# Altium PCB GameBoard_V1I1.PcbDoc (part 19 of 22)
Units mil, origin at the board's own origin, x right, y up, seen from the top; angles counter-clockwise.
Board outline 7165.35 x 2814.96 mil, 12 copper layers (L1, L2, L3, L4, L5 (PWR), L6 (PWR), L7 (PWR), L8 (PWR), L9, L10, L11, L12), stack 61.575 mil thick; 1551 components, 1072 nets, 5467 pads, 3785 vias.
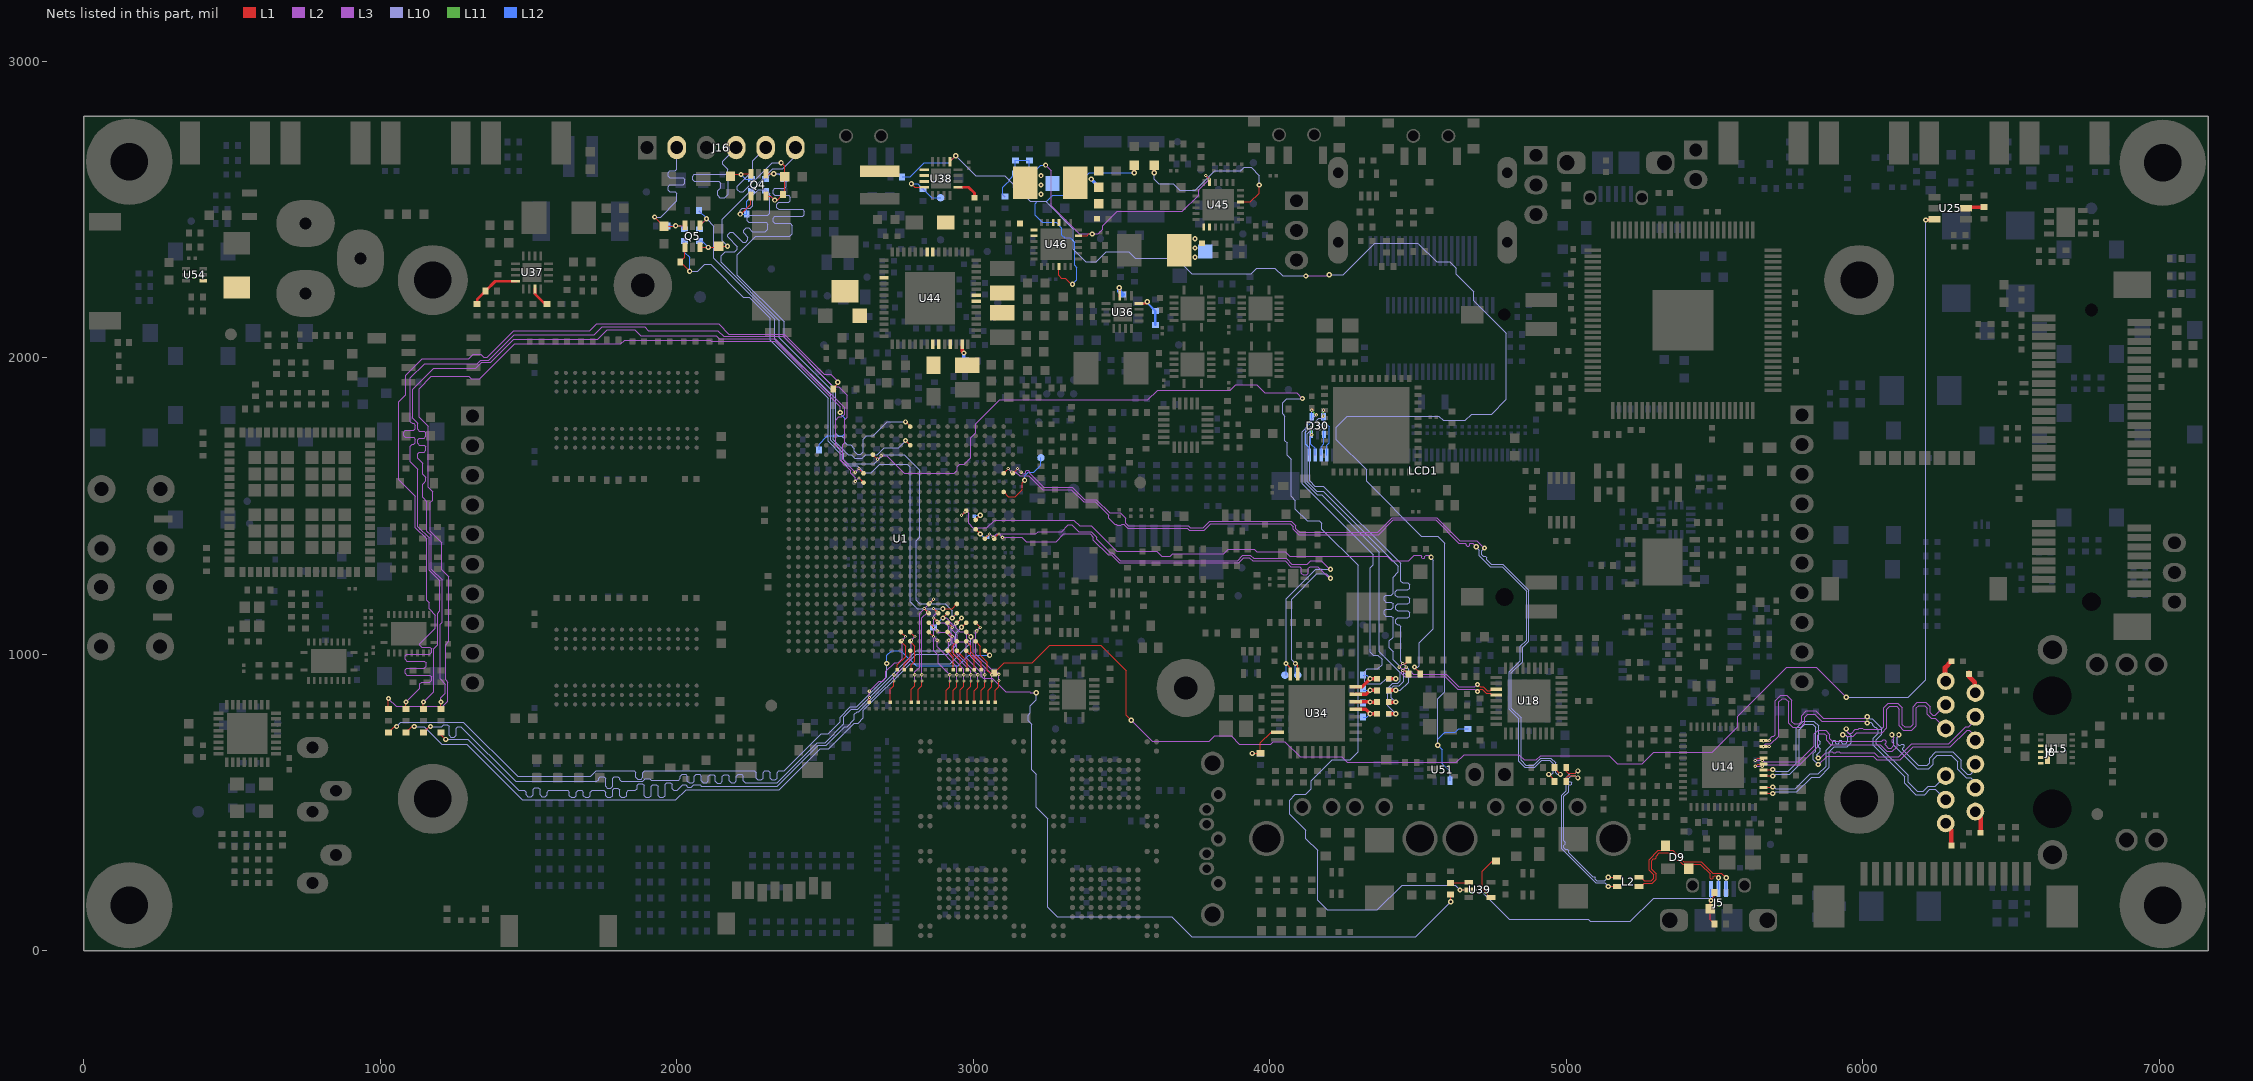
[diagram p29: the nets of this part, all layers, seen from the top]

## Via types
v1: diameter 17.72, hole 7.87, L1 to L12, 1935 vias
v2: diameter 17.72, hole 7.87, L1 to L12, tented both sides, 995 vias
v3: diameter 10.63, hole 3.94, L1 to L2, 334 vias
v4: diameter 11.81, hole 3.94, L2 to L3, 334 vias
v5: diameter 10.63, hole 3.94, L11 to L12, 94 vias
v6: diameter 11.81, hole 3.94, L10 to L11, 93 vias

## Nets (pads, with @x,y where several pads share a name; then routed paths per layer and width w, separated by ;. In a path a pad name is that pad's centre, name@x,y a point inside that pad or via, vN(x,y) a via of type N, cw(c..) or ccw(c..) an arc to the next point about the centre after c; other vN are vias at no path point) (continued)
SRC_BOOT_CFG_12: R654.1 U1.M24 | length 107.3
  L1 w3.15: U1.M24@2787.4,1043.31 2803.15,1027.56 2803.15,976.38 2791.34,964.57 R654.1@2791.34,947.44
SRC_BOOT_CFG_13: R655.1 U1.M23 | length 282.1
  L1 w3.15: R655.1@2720.47,837.2 2720.47,881.89 2732.28,893.7 v3(2732.28,909.45) ; U1.M23@2787.4,1074.8 v3(2803.15,1059.06)
  L3 w3.15: v4(2732.28,930.51) 2738.69,930.51 2791.34,983.16 v4(2791.34,1047.24)
  L2 w3.15: v3(2732.28,909.45) v4(2732.28,930.51) ; v4(2791.34,1047.24) v3(2803.15,1059.06)
SRC_BOOT_CFG_14: R656.1 U1.N23 | length 306.5
  L1 w3.15: R656.1@2649.61,837.2 v3(2649.61,854.33) ; U1.N23@2755.91,1074.8 v3(2771.65,1059.06)
  L3 w3.15: v4@2649.61,878.57 2651.83,878.57 2682.71,909.45 2694.11,909.45 2704.72,920.07 2704.72,941.93 2734.71,971.92 2746.69,971.92 2759.84,985.07 v4(2759.84,1047.24)
  L2 w3.15: v3(2649.61,854.33) v4(2649.61,875.39) ; v4(2759.84,1047.24) v3(2771.65,1059.06)
SRC_BOOT_CFG_15: R657.1 U1.N24 | length 113.8
  L1 w3.15: R657.1@2744.09,947.44 2744.09,964.57 2771.65,992.13 2771.65,1027.56 U1.N24@2755.91,1043.31
SRC_BOOT_CFG_16: R658.1 U1.H25 | length 72.5
  L1 w3.15: U1.H25@2913.39,1011.81 2933.07,992.13 R658.1@2933.07,947.44
SRC_BOOT_CFG_17: R661.1 U1.G24 | length 113.8
  L1 w3.15: U1.G24@2944.88,1043.31 2929.13,1027.56 2929.13,1007.2 2956.69,979.64 R661.1@2956.69,947.44
SRC_BOOT_CFG_18: R660.1 U1.J22 | length 386.2
  L1 w3.15: v3(2866.14,1122.05) U1.J22@2881.89,1106.3 ; R660.1@3003.94,837.2 3003.94,877.28 3015.75,889.09 v3(3015.75,909.45)
  L3 w3.15: v4(2877.95,1110.24) 2881.89,1106.3 2902.77,1106.3 2917.32,1091.74 2917.32,1077.68 2937.99,1057.01 2937.99,1045 2945,1037.99 2945,1001.26 v4(3015.75,930.51)
  L2 w3.15: v3(2866.14,1122.05) v4(2877.95,1110.24) ; v3(3015.75,909.45) v4(3015.75,930.51)
SRC_BOOT_CFG_19: R659.1 U1.G25 | length 79
  L1 w3.15: U1.G25@2944.88,1011.81 2980.32,976.38 R659.1@2980.32,947.44
SRC_BOOT_CFG_20: R662.1 U1.H22 | length 357.4
  L1 w3.15: U1.H22@2913.39,1106.3 v3(2929.13,1090.55) ; R662.1@3027.56,837.2 3027.56,877.95 3039.37,889.76 v3(3039.37,909.45)
  L3 w3.15: v4(2940.95,1102.36) 2940.95,1089.36 2954.52,1075.79 2967.52,1075.79 2977.36,1065.94 2977.36,1052.64 2992.13,1037.87 2992.13,991.28 3039.37,944.04 v4(3039.37,930.51)
  L2 w3.15: v3(2929.13,1090.55) v4(2940.95,1102.36) ; v3(3039.37,909.45) v4(3039.37,930.51)
SRC_BOOT_CFG_21: R663.1 U1.H23 | length 275.1
  L1 w3.15: U1.H23@2913.39,1074.8 v3(2929.13,1059.06) ; R663.1@2956.69,837.2 2956.69,879.3 2968.5,891.11 v3(2968.5,909.45)
  L3 w3.15: v4(2917.32,1047.24) 2917.32,1000 2968.5,948.82 v4(2968.5,930.51)
  L2 w3.15: v4(2917.32,1047.24) v3(2929.13,1059.06) ; v3(2968.5,909.45) v4(2968.5,930.51)
SRC_BOOT_CFG_22: R664.1 U1.F24 | length 117.1
  L1 w3.15: U1.F24@2976.38,1043.31 2992.13,1027.56 2992.13,1007.87 3027.56,972.44 R664.1@3027.56,947.44
SRC_BOOT_CFG_23: R665.1 U1.J21 | length 376.1
  L1 w3.15: v3(2866.14,1153.54) U1.J21@2881.89,1137.8 ; R665.1@2909.45,837.2 2909.45,877.95 2921.26,889.76 v3(2921.26,909.45)
  L3 w3.15: v4(2877.95,1141.73) 2866.14,1129.92 2866.14,1011.81 2881.89,996.06 2881.89,969.88 v4(2921.26,930.51)
  L2 w3.15: v3(2866.14,1153.54) v4(2877.95,1141.73) ; v3(2921.26,909.45) v4(2921.26,930.51)
SRC_BOOT_CFG_24: R666.1 U1.F25 | length 75.8
  L1 w3.15: U1.F25@2976.38,1011.81 3003.94,984.25 R666.1@3003.94,947.44
SRC_BOOT_CFG_25: R667.1 U1.M25 | length 72.5
  L1 w3.15: R667.1@2767.72,947.44 2767.72,968.5 2787.4,988.19 U1.M25@2787.4,1011.81
SRC_BOOT_CFG_26: R668.1 U1.K22 | length 347.1
  L1 w3.15: U1.K22@2850.39,1106.3 v3(2866.14,1090.55) ; R668.1@2980.32,837.2 2980.32,880.65 2992.13,892.47 v3(2992.13,909.45)
  L3 w3.15: v4(2877.95,1078.74) 2881.89,1074.8 2906.47,1074.8 2930,1051.27 2930,1038.54 2935,1033.54 2935,1000.12 2992.13,943 v4(2992.13,930.51)
  L2 w3.15: v3(2866.14,1090.55) v4(2877.95,1078.74) ; v3(2992.13,909.45) v4(2992.13,930.51)
SRC_BOOT_CFG_27: R669.1 U1.K21 | length 356.5
  L1 w3.15: R669.1@2814.96,837.2 2814.96,881.89 2826.77,893.7 v3(2826.77,909.45) ; v3(2834.65,1153.54) U1.K21@2850.39,1137.8
  L3 w3.15: v4(2826.77,930.51) 2826.77,1122.05 v4(2846.46,1141.73)
  L2 w3.15: v3(2826.77,909.45) v4(2826.77,930.51) ; v3(2834.65,1153.54) v4(2846.46,1141.73)
SRC_BOOT_CFG_28: R670.1 U1.K23 | length 281.6
  L1 w3.15: U1.K23@2850.39,1074.8 v3(2866.14,1059.06) ; R670.1@2933.07,837.2 2933.07,877.95 2944.88,889.76 v3(2944.88,909.45)
  L3 w3.15: v4(2877.95,1047.24) 2877.95,1024.82 2944.88,957.89 v4(2944.88,930.51)
  L2 w3.15: v3(2866.14,1059.06) v4(2877.95,1047.24) ; v3(2944.88,909.45) v4(2944.88,930.51)
SRC_BOOT_CFG_29: R671.1 U1.K20 | length 401.1
  L1 w3.15: R671.1@2791.34,837.2 2791.34,881.89 2803.15,893.7 v3(2803.15,909.45) ; U1.K20@2850.39,1169.29 v3(2866.14,1185.04)
  L3 w3.15: v4(2803.15,930.51) 2803.15,940.94 2818.9,956.69 2818.9,1137.8 v4(2854.33,1173.23)
  L2 w3.15: v3(2803.15,909.45) v4(2803.15,930.51) ; v4(2854.33,1173.23) v3(2866.14,1185.04)
SRC_BOOT_CFG_30: R672.1 U1.E22 | length 323.3
  L1 w3.15: U1.E22@3007.88,1106.3 v3(3023.62,1090.55) ; R672.1@3074.8,838.58 3074.8,877.95 3086.61,889.76 v3(3086.61,910.83)
  L3 w3.15: v4(3011.81,1078.74) 3008.86,1075.79 3008.86,999.69 3063.53,945.02 3073.48,945.02 v4(3086.61,931.89)
  L2 w3.15: v4(3011.81,1078.74) v3(3023.62,1090.55) ; v3(3086.61,910.83) v4(3086.61,931.89)
SS_1V375: R302.2 U36.7 | length 56.5
  L1 w9.06: U36.7@3494.09,2209.05 v1@3494.09,2234.25
  L1 w11.81: v1(3492.13,2236.22) v1@3494.09,2234.25
  L12 w15.75: v1(3492.13,2236.22) 3492.13,2224.41 R302.2@3503.94,2212.6
SS_3V3_HDR: R314.2 U37.7 | length 72.5
  L1 w9.84: U37.7@1521.65,2231.89 1521.65,2214.57 1555.12,2181.1 R314.2@1562.99,2181.1
Status1: D50.1 U45.4 | length 595.4
  L1 w3.15: U45.4@3901.57,2525.59 3935.04,2525.59 3964.57,2555.12 v1(3964.57,2582.68)
  L1 w11.81: v1(3610.24,2624.02) D50.1@3610.24,2649.61
  L10 w3.15: v1(3610.24,2624.02) 3610.24,2602.36 3625.98,2586.61 3674.42,2586.61 3697.06,2563.98 3749.02,2563.98 3814.96,2629.92 3901.57,2629.92 3913.39,2641.73 3937.01,2641.73 3964.57,2614.17 v1(3964.57,2582.68)
Status2: D49.1 U46.4 | length 867.3
  L1 w3.15: U46.4@3289.37,2307.09 3288.39,2306.1 3288.39,2277.35 3297.03,2268.7 3310.04,2268.7 3330.71,2248.03 v1(3334.65,2248.03)
  L1 w11.81: v1(3543.31,2624.02) D49.1@3543.31,2649.61
  L12 w3.15: v1(3334.65,2248.03) 3349.41,2262.8 3349.41,2304.13 3342.52,2311.02 3342.52,2389.76 3327.97,2404.32 3308.28,2404.32 3299.21,2413.39 3299.21,2437.01 3279.53,2456.69 3232.28,2456.69 3208.66,2480.31 3208.66,2519.69 3216.54,2527.56 3248.03,2527.56 3267.72,2547.24 3314.96,2547.24 3391.73,2624.02 v1(3543.31,2624.02)
STBY_OR_USER_LED_3: D23.1 R286.1 U34.7 | length 163.3
  L1 w3.15: v1(3940.94,665.35) 3967.75,665.35 D23.1@3968.5,666.11 3968.5,700.79 4004.92,737.2 U34.7@4026.57,737.2
  L12 w3.15: v1(3940.94,665.35) R286.1@3968.5,665.35
SW1: C480.2 D46.2 D48.1 L17.1 U45.19 U45.20
  other v1: 3748.03,2338.58 3748.03,2370.08 3748.03,2401.57
SW1CFB: R431.2 U44.13 | length 62.8
  L1 w11.81: U44.13@2962.6,2045.28 2962.6,2021.65 v2(2968.5,2015.75)
  L12 w11.81: v2(2968.5,2015.75) 2968.5,1996.06 R431.2@2976.38,1988.19
SW1CLX: L13.2 U44.11
SW1LX: L11.1 U44.8 U44.9
SW2: C492.2 D52.1 L18.1 U46.19 U46.20
  other v1: 3228.35,2551.18 3228.35,2582.68 3228.35,2614.17
SW2LX: L15.1 U44.22
SW3LX: L12.1 U44.35 U44.36
SW4LX: L14.1 U44.21
SW_1V8WIFI: L19.1 U54.4
SW_EP: U15.3 U15.4 U15.5 U15.6 U15.14
SWBSTLX: D45.2 L16.2 U44.46
SYNC_1V375: R295.1 R298.2 U36.4 | length 119.8
  L1 w7.87: U36.4@3559.45,2183.07 3580.71,2183.07 v1(3586.61,2188.98)
  L12 w7.87: v1(3586.61,2188.98) 3586.61,2185.04 R298.2@3614.17,2157.48 R295.1@3614.17,2110.24
SYNC_3V3_HDR: R306.1 R309.2 U37.4 | length 170.6
  L1 w9.06: R306.1@1326.77,2181.1 1326.77,2196.85 R309.2@1354.33,2224.41 1387.8,2257.87 U37.4@1456.3,2257.87
SYS2: C493.1 C494.1 C495.1 C496.1 L18.2 TP51.1 U46.15 U46.16 | length 37.3
  L12 w11.81: v1(3397.64,2602.36) 3421.26,2578.74 TP51.1@3421.26,2574.8
SYS_ENABLE: R677.1 R679.1 U38.13 U51.1 | length 4935.2
  L1 w3.15: U38.13@2921.26,2661.42 v1(2940.94,2681.1)
  L3 w3.15: v1(4122.05,2275.59) 4196.85,2275.59 v1(4200.79,2279.53)
  L10 w3.15: v1(2940.94,2681.1) 3007.87,2614.17 3106.3,2614.17 3192.91,2527.56 3244.09,2527.56 3337.6,2434.06 3337.6,2365.93 3379.71,2323.82 3414.37,2323.82 3447.83,2357.28 3524.61,2357.28 3547.24,2334.65 3685.04,2334.65 3737.2,2282.48 3937.01,2282.48 3955.71,2301.18 4017.72,2301.18 4043.31,2275.59 v1(4122.05,2275.59) ; v1(4200.79,2279.53) 4248.03,2279.53 4354.33,2385.83 4500,2385.83 4562.99,2322.83 4607.49,2322.83 4628.94,2301.39 4628.94,2281.71 4687.99,2222.65 4687.99,2192.39 4798.23,2082.15 4798.23,1860.14 4748.13,1810.04 4681.31,1810.04 4659.66,1788.39 4584.44,1788.39 4569.67,1803.15 4261.45,1803.15 4224.41,1766.11 4224.41,1723.82 4326.77,1621.46 4326.77,1582.68 4511.81,1397.64 4566.93,1397.64 4590.55,1374.02 4590.55,874.02 4566.93,850.39 v1(4566.93,692.91)
  L12 w3.15: R677.1@2759.84,2610.24 2787.4,2610.24 2834.65,2657.48 2917.32,2657.48 v1(2940.94,2681.1) ; U51.1@4608.27,572.83 4608.27,604.33 4582.68,629.92 4582.68,677.17 v1(4566.93,692.91) 4566.93,712.6 4590.55,736.22 4625.98,736.22 4637.8,748.03 R679.1@4669.29,748.03
SYS_PG: R317.1 TP23.1 U38.4 | length 166.2
  L1 w3.15: v1(2791.34,2586.61) 2803.15,2574.8 U38.4@2834.65,2574.8
  L12 w3.15: v1(2791.34,2586.61) 2812.01,2586.61 R317.1@2830.71,2567.91 2859.25,2539.37 TP23.1@2889.76,2539.37
SYS_SS: C356.2 U38.9 | length 79
  L1 w9.84: U38.9@2948.82,2574.8 2984.25,2574.8 3003.94,2555.12 C356.2@3003.94,2539.37
SYS_SW: L8.1 U38.1 U38.2 U38.3
TAMPER: R80.1 U1.E11 | length 45
  L1 w3.15: U1.E11@3007.87,1452.76 v1(3023.62,1468.5)
  L12 w3.15: R80.1@3002.56,1464.57 3006.5,1468.5 v1(3023.62,1468.5)
TCT0: C262.2 J8.12 | length 77
  L1 w15.75: J8.12@6277.8,908.27 6277.8,954.96 C262.2@6299.21,976.38
TCT1: C263.2 J8.6 | length 76.8
  L1 w15.75: C263.2@6358.27,937.01 C263.2@6358.27,933.07 6358.27,925.2 6377.8,905.67 J8.6@6377.8,868.27
TCT2: C264.2 J8.1 | length 78.8
  L1 w15.75: J8.1@6377.8,468.27 6397.64,448.43 C264.2@6397.64,397.64
TCT3: C265.2 J8.7 | length 82.8
  L1 w15.75: J8.7@6277.8,428.27 6299.21,406.85 C265.2@6299.21,354.33
TEMP_ADD0: R243.2 R245.2 U25.5 | length 65.4
  L1 w11.81: U25.5@6348.43,2503.94 6352.36,2507.87 R243.2@6409.45,2507.87 R243.2@6411.42,2509.84
TEMP_ALERT: R48.1 U1.E24 U25.3 | length 5437.2
  L1 w3.15: U1.E24@3007.87,1043.31 3023.62,1027.56 3023.62,996.06 3047.24,972.44 3047.24,944.88 3055.12,937.01 R48.1@3070.87,937.01 3105.11,971.25 3199.59,971.25 3258.86,1030.51 3430.12,1030.51 3515.75,944.88 3515.75,794.28 v1(3532.62,777.41)
  L1 w11.81: v2(6212.6,2464.57) 6241.14,2464.57 U25.3@6243.11,2466.54
  L3 w3.15: v1(3532.62,777.41) 3604.32,705.71 3796.26,705.71 3814.96,724.41 3870.08,724.41 3897.64,696.85 4003.94,696.85 4011.81,704.72 4051.18,704.72 4102.36,653.54 4242.13,653.54 4260.83,634.84 4629.92,634.84 4656.5,661.42 4840.55,661.42 4858.27,643.7 4899.61,643.7 4913.39,657.48 5144.69,657.48 5172.24,629.92 5255.91,629.92 5295.28,669.29 5492.13,669.29 5578.74,755.91 5578.74,791.34 5744.09,956.69 5842.52,956.69 v1(5944.88,854.33)
  L10 w3.15: v1(5944.88,854.33) 6153.54,854.33 6212.6,913.39 v2(6212.6,2464.57)
TEST_MODE: R84.2 U1.E12 | length 52.2
  L1 w3.15: U1.E12@3007.87,1421.26 v1(3023.62,1405.51)
  L12 w3.15: v1(3023.62,1405.51) 3035.43,1393.7 R84.2@3048.62,1393.7
TRD0_N: J8.10 U14.3 | length 1058.8
  L1 w3.35: U14.3@5664.96,550.79 v1@5695.87,550.79
  L3 w3.35: v1(5933.07,728.35) 5935.48,725.94 5943.6,725.94 5946.65,722.88 5967.8,722.88 5980.16,735.24 6065.79,735.24 6081.89,751.34 6081.89,814.96 6090.55,823.62 6114.17,823.62 6122.83,814.96 6122.83,757.87 6137.17,743.54 6166.14,743.54 6181.1,758.5 6181.1,818.9 6188.98,826.77 6208.66,826.77 6217.32,818.11 6217.32,798.11 6231.65,783.78 6245.55,783.78 J8.10@6280.04,749.29
  L10 w3.35: v1(5696.85,551.77) 5700.68,551.77 5706,546.46 5773.25,546.46 5822.86,596.06 5849.74,596.06 5876.38,622.7 5876.38,675.43 5899.37,698.43 5899.37,706.46 5902.56,709.65 5906.5,709.65 5909.45,706.69 5909.45,700.39 5911.42,698.43 5917.32,698.43 5920.28,701.38 5920.28,706.69 5923.23,709.65 5927.17,709.65 5930.12,706.69 5930.12,701.38 5933.07,698.43 5942.52,698.43 5949.58,705.49 5949.58,719.95 5943.6,725.94 5935.48,725.94 v1(5933.07,728.35)
TRD0_P: J8.11 U14.2 | length 1058.7
  L1 w3.35: U14.2@5664.96,531.1 v1@5695.87,531.1
  L3 w3.35: v1(5944.88,748.03) 5947.45,745.46 5947.45,737.67 5951.22,733.91 5963.24,733.91 5975.6,746.27 5984.46,746.27 5989.17,750.98 5998.23,750.98 6002.95,746.27 6061.23,746.27 6070.87,755.91 6070.87,819.53 6085.99,834.65 6118.74,834.65 6133.86,819.53 6133.86,762.44 6141.73,754.57 6161.58,754.57 6170.08,763.07 6170.08,823.46 6184.41,837.8 6213.23,837.8 6228.35,822.68 6228.35,802.68 6236.22,794.8 6245.55,794.8 J8.11@6280.04,829.29
  L10 w3.35: v1(5696.85,530.12) 5700.68,530.12 5706,535.43 5777.82,535.43 5827.42,585.04 5854.31,585.04 5887.4,618.13 5887.4,670.87 5903.94,687.4 5947.09,687.4 5960.6,700.92 5960.6,724.52 5947.45,737.67 5947.45,745.46 v1(5944.88,748.03)
TRD1_N: J8.5 U14.6 | length 1067.2
  L1 w3.35: U14.6@5664.96,609.84 5695.87,609.84 v1(5696.85,610.83)
  L3 w3.35: v1(5850.39,649.61) 5853.08,652.3 5860.64,652.3 5875.27,666.93 5884.84,666.93 5888.19,670.28 5896.65,670.28 5900,666.93 5909.06,666.93 5912.4,670.28 5920.28,670.28 5923.62,666.93 6039.76,666.93 6052.17,654.53 6121.48,654.53 6165.38,698.43 6290.94,698.43 6347.32,754.8 6358.15,754.8 6380.04,776.69 J8.5@6380.04,789.29
  L10 w3.35: v1(5696.85,610.83) 5700.68,610.83 5706,605.51 5748.95,605.51 5775.59,632.15 5775.59,750.26 5799.94,774.61 5835.63,774.61 5851.97,758.27 5851.97,709.65 5856.3,705.31 5856.3,698.23 5851.97,693.9 5851.97,685.43 5856.3,681.1 5856.3,672.77 5845.05,661.52 5845.05,658.75 5850.39,653.41 v1(5850.39,649.61)
TRD1_P: J8.4 U14.5 | length 1067.1
  L1 w3.35: U14.5@5664.96,590.16 5695.87,590.16 v1(5696.85,589.17)
  L3 w3.35: v1(5850.39,627.95) 5851.89,627.95 5879.84,655.91 6035.2,655.91 6047.6,643.5 6126.05,643.5 6169.94,687.4 6295.51,687.4 6351.89,743.78 6358.58,743.78 6380.04,722.32 J8.4@6380.04,709.29
  L10 w3.35: v1(5696.85,589.17) 5700.68,589.17 5706,594.49 5753.52,594.49 5786.61,627.58 5786.61,745.69 5804.5,763.58 5831.06,763.58 5840.94,753.7 5840.94,673.01 5834.03,666.09 5834.03,644.32 v1(5850.39,627.95)
TRD2_N: J8.2 U14.8 | length 1105.2
  L1 w3.35: v3(5637.8,641.73) 5645.28,649.21 U14.8@5664.96,649.21
  L3 w3.35: v4(5661.42,641.73) 5663.28,641.73 5667.61,637.4 5783.07,637.4 5837.3,691.63 5837.3,731 5849.69,743.39 5874.57,743.39 5888.98,728.98 5888.98,714.67 5897.64,706 6063.94,706 6068.57,710.63 6073.82,710.63 6078.74,705.71 6078.74,701.26 6075.79,698.3 6075.79,694.16 6086.53,683.41 6095.89,683.41 6104.72,692.25 6104.72,697.83 6100.39,702.17 6100.39,710.63 6104.72,714.96 6104.72,719.2 6098.43,725.5 v1(6098.43,728.35)
  L10 w3.35: v1(6098.43,728.35) 6098.43,725.5 6104.72,719.2 6104.72,692.94 6183.49,614.17 6222.03,614.17 6237.4,629.55 6237.4,645.04 6251.81,659.45 6298.39,659.45 6320.87,636.97 6320.87,611.38 6348.47,583.78 6364.06,583.78 6369.2,578.64 6369.2,560.13 J8.2@6380.04,549.29
  L2 w3.15: v3(5637.8,641.73) v4(5661.42,641.73)
TRD2_P: J8.3 U14.7 | length 1106.9
  L1 w3.35: v3(5637.8,622.05) 5645.28,629.53 U14.7@5664.96,629.53
  L3 w3.35: v4(5661.42,622.05) 5663.28,622.05 5667.61,626.38 5787.64,626.38 5848.33,687.07 5848.33,726.44 5854.25,732.36 5870,732.36 5877.95,724.41 5877.95,710.1 5893.07,694.98 6059.37,694.98 6081.97,672.39 6100.45,672.39 6115.75,687.68 6115.75,719.2 6122.05,725.5 v1(6122.05,728.35)
  L10 w3.35: v1(6122.05,728.35) 6122.05,725.5 6115.75,719.2 6115.75,697.5 6121.06,692.19 6126.24,692.19 6130.91,696.85 6136.81,696.85 6140.75,692.91 6140.75,687.99 6135.83,683.07 6135.83,677.42 6188.05,625.2 6217.46,625.2 6226.38,634.12 6226.38,649.61 6247.24,670.47 6302.95,670.47 6331.89,641.54 6331.89,615.94 6353.03,594.8 6364.49,594.8 6369.2,599.51 6369.2,618.45 J8.3@6380.04,629.29
  L2 w3.15: v3(5637.8,622.05) v4(5661.42,622.05)
TRD3_N: J8.9 U14.11 | length 1105.9
  L1 w3.35: v4(5664.96,708.27) v3(5684.65,708.27)
  L3 w3.35: v4(5664.96,708.27) 5685.63,708.27 5688.98,711.61 5688.98,716.54 5694.88,722.44 5699.8,722.44 5705.51,728.15 5705.51,843.31 5723.43,861.22 5744.09,861.22 5761.42,843.9 5761.42,772.31 5768.37,765.36 5786.02,765.36 5793.7,773.03 5793.7,791.99 5810.37,808.66 5842.5,808.66 5867.1,784.06 6006.6,784.06 6011.92,789.37 v1(6015.75,789.37)
  L10 w3.35: v1(6015.75,789.37) 6023.17,781.95 6032.23,781.95 6063.98,750.21 6063.98,729.49 6046.46,711.97 6046.46,697.64 6152.91,591.18 6152.91,568.38 6183.7,537.6 6204.1,537.6 6221.3,554.8 6245.55,554.8 J8.9@6280.04,589.29
  L2 w3.15: v4(5664.96,708.27) v3(5684.65,708.27)
TRD3_P: J8.8 U14.10 | length 1107.3
  L1 w3.35: v4(5664.96,688.58) v3(5684.65,688.58)
  L3 w3.35: v4(5664.96,688.58) 5673.62,697.24 5690.2,697.24 5716.53,723.58 5716.53,838.74 5727.99,850.2 5739.53,850.2 5750.39,839.33 5750.39,767.74 5763.8,754.33 5790.59,754.33 5804.72,768.46 5804.72,787.42 5814.94,797.64 5837.93,797.64 5862.54,773.03 6006.6,773.03 6011.92,767.72 v1(6015.75,767.72)
  L10 w3.35: v1(6015.75,767.72) 6018.96,770.93 6027.67,770.93 6034.45,764.15 6034.45,759.84 6039.99,754.3 6044.29,754.3 6052.95,745.64 6052.95,734.05 6035.43,716.53 6035.43,693.07 6141.89,586.61 6141.89,563.82 6179.13,526.57 6208.66,526.57 6225.87,543.78 6245.55,543.78 J8.8@6280.04,509.29
  L2 w3.15: v4(5664.96,688.58) v3(5684.65,688.58)
TS: R477.1 R478.1 R483.2 R484.2 R485.2 U45.11 U46.11 | length 1206.4
  L1 w3.15: U46.11@3354.33,2411.42 3383.86,2411.42 3389.76,2417.32 v1(3401.57,2417.32) ; v3(3784.06,2614.17) 3797.24,2600.99 U45.11@3797.24,2590.55
  L3 w3.15: v1(3244.09,2649.61) 3263.78,2629.92 3263.78,2511.81 3358.27,2417.32 v1(3401.57,2417.32) 3421.26,2417.32 3437.01,2433.07 3437.01,2444.92 3485.2,2493.11 3704.72,2493.11 3759.84,2548.23 3759.84,2566.33 v4(3795.87,2602.36)
  L2 w3.15: v3(3784.06,2614.17) v4(3795.87,2602.36)
  L12 w3.15: R485.2@3106.3,2543.31 3099.41,2550.2 3099.41,2574.59 3113.19,2588.37 3120.68,2595.86 3120.68,2600.99 R477.1@3141.73,2622.05 R484.2@3141.73,2665.35 R483.2@3188.98,2665.35 R478.1@3188.98,2622.05 3200.79,2622.05 3228.35,2649.61 v1(3244.09,2649.61)
TS_X+: C333.1 D30.5 FB38.2 LCD1.37 | length 1445
  L1 w11.81: FB38.2@4401.57,799.21 v1(4425.2,799.21)
  L10 w3.15: v6(4181.1,1803.15) 4173.23,1795.28 4165.91,1795.28 4119.09,1748.46 4119.09,1577.91 4160,1537.01 4176.11,1537.01 4369.09,1344.02 4369.09,1008.86 4439.96,937.99 4439.96,911.21 4431.31,902.56 4414.37,902.56 4397.64,885.83 4397.64,826.77 v1(4425.2,799.21)
  L11 w3.15: v6(4181.1,1803.15) v5(4181.1,1822.83)
  L12 w3.15: v5(4181.1,1822.83) D30.5@4181.1,1801.18 4181.1,1787.4 4200.79,1767.72 4200.79,1712.6 4192.91,1704.72 LCD1.37@4192.91,1671.26 ; C333.1@4401.57,799.21 v1(4425.2,799.21)
TS_X+_B: FB38.1 R290.2 U34.21 | length 106.5
  L1 w11.81: U34.21@4290.35,813.98 4323.82,813.98 v1(4338.58,799.21) FB38.1@4362.2,799.21
  L12 w3.15: R290.2@4314.96,787.4 4326.77,787.4 v1(4338.58,799.21)
TS_X-: C334.1 D30.1 FB39.2 LCD1.38 | length 1441.8
  L1 w11.81: FB39.2@4401.57,838.58 v1(4425.2,838.58)
  L10 w3.15: v6(4169.29,1759.84) 4143.7,1759.84 4126.97,1743.11 4126.97,1581.17 4157.95,1550.2 4180.12,1550.2 4434.06,1296.26 4434.06,1277.4 4416.17,1259.52 4416.17,1204.72 4410.27,1198.82 4392.08,1198.82 4386.17,1192.91 4386.17,1181.1 4392.08,1175.2 4410.27,1175.2 4416.17,1169.29 4416.17,1157.48 4410.27,1151.57 4392.08,1151.57 4386.17,1145.67 4386.17,1133.86 4392.08,1127.95 4410.27,1127.95 4416.17,1122.05 4416.17,1057.09 4403.54,1044.46 4403.54,1021.65 4416.17,1009.02 4416.17,980.79 4452.76,944.21 4452.76,909.45 4436.02,892.72 4419.08,892.72 4410.43,884.07 4410.43,853.35 v1(4425.2,838.58)
  L11 w3.15: v5(4162.4,1776.57) 4169.29,1769.69 v6(4169.29,1759.84)
  L12 w3.15: v5(4162.4,1776.57) 4170.12,1776.57 4182.6,1764.1 D30.1@4182.6,1742.12 4182.6,1709.17 4173.23,1699.8 LCD1.38@4173.23,1671.26 ; C334.1@4401.57,838.58 v1(4425.2,838.58)
TS_X-_B: FB39.1 R291.2 U34.22 | length 96.3
  L1 w11.81: U34.22@4290.35,839.57 4337.6,839.57 v1(4338.58,838.58) FB39.1@4362.2,838.58
  L12 w3.15: R291.2@4314.96,839.57 4337.6,839.57 v1(4338.58,838.58)
TS_Y+: C336.1 D30.4 FB41.2 LCD1.40 | length 1443.8
  L1 w11.81: FB41.2@4401.57,917.32 v1(4425.2,917.32)
  L10 w3.15: v6(4157.48,1807.09) 4125.98,1775.59 4125.98,1766.49 4110.24,1750.74 4110.24,1574.8 4349.41,1335.63 4349.41,1300.97 4339.57,1291.13 4339.57,1005.91 4349.41,996.06 4365.16,996.06 4378.94,982.28 4378.94,964.57 4365.16,950.79 4329.72,950.79 4319.88,940.94 4319.88,907.48 4327.76,899.61 4375,899.61 4392.72,917.32 v1(4425.2,917.32) ; v1@4425.2,919.89 v1@4425.89,919.89
  L11 w3.15: v5(4141.73,1822.83) v6(4157.48,1807.09)
  L12 w3.15: LCD1.40@4133.86,1671.26 4133.86,1696.85 4122.05,1708.66 4122.05,1763.78 4141.73,1783.46 D30.4@4141.73,1801.18 v5(4141.73,1822.83) ; C336.1@4401.57,917.32 v1(4425.2,917.32)
TS_Y+_B: FB41.1 R293.2 U34.24 | length 111.4
  L1 w11.81: U34.24@4290.35,890.75 4312.01,890.75 v1(4338.58,917.32) FB41.1@4362.2,917.32